# Altium PCB EngineControlTry1.PcbDoc
Units mm, origin at the board's own origin, x right, y up, seen from the top; angles counter-clockwise.
Board outline 93.1 x 76.8 mm, 2 copper layers (Top Layer, Bottom Layer); 80 components, 54 nets, 325 pads, 0 vias.
Unrouted connection lines stored in the file: 189.
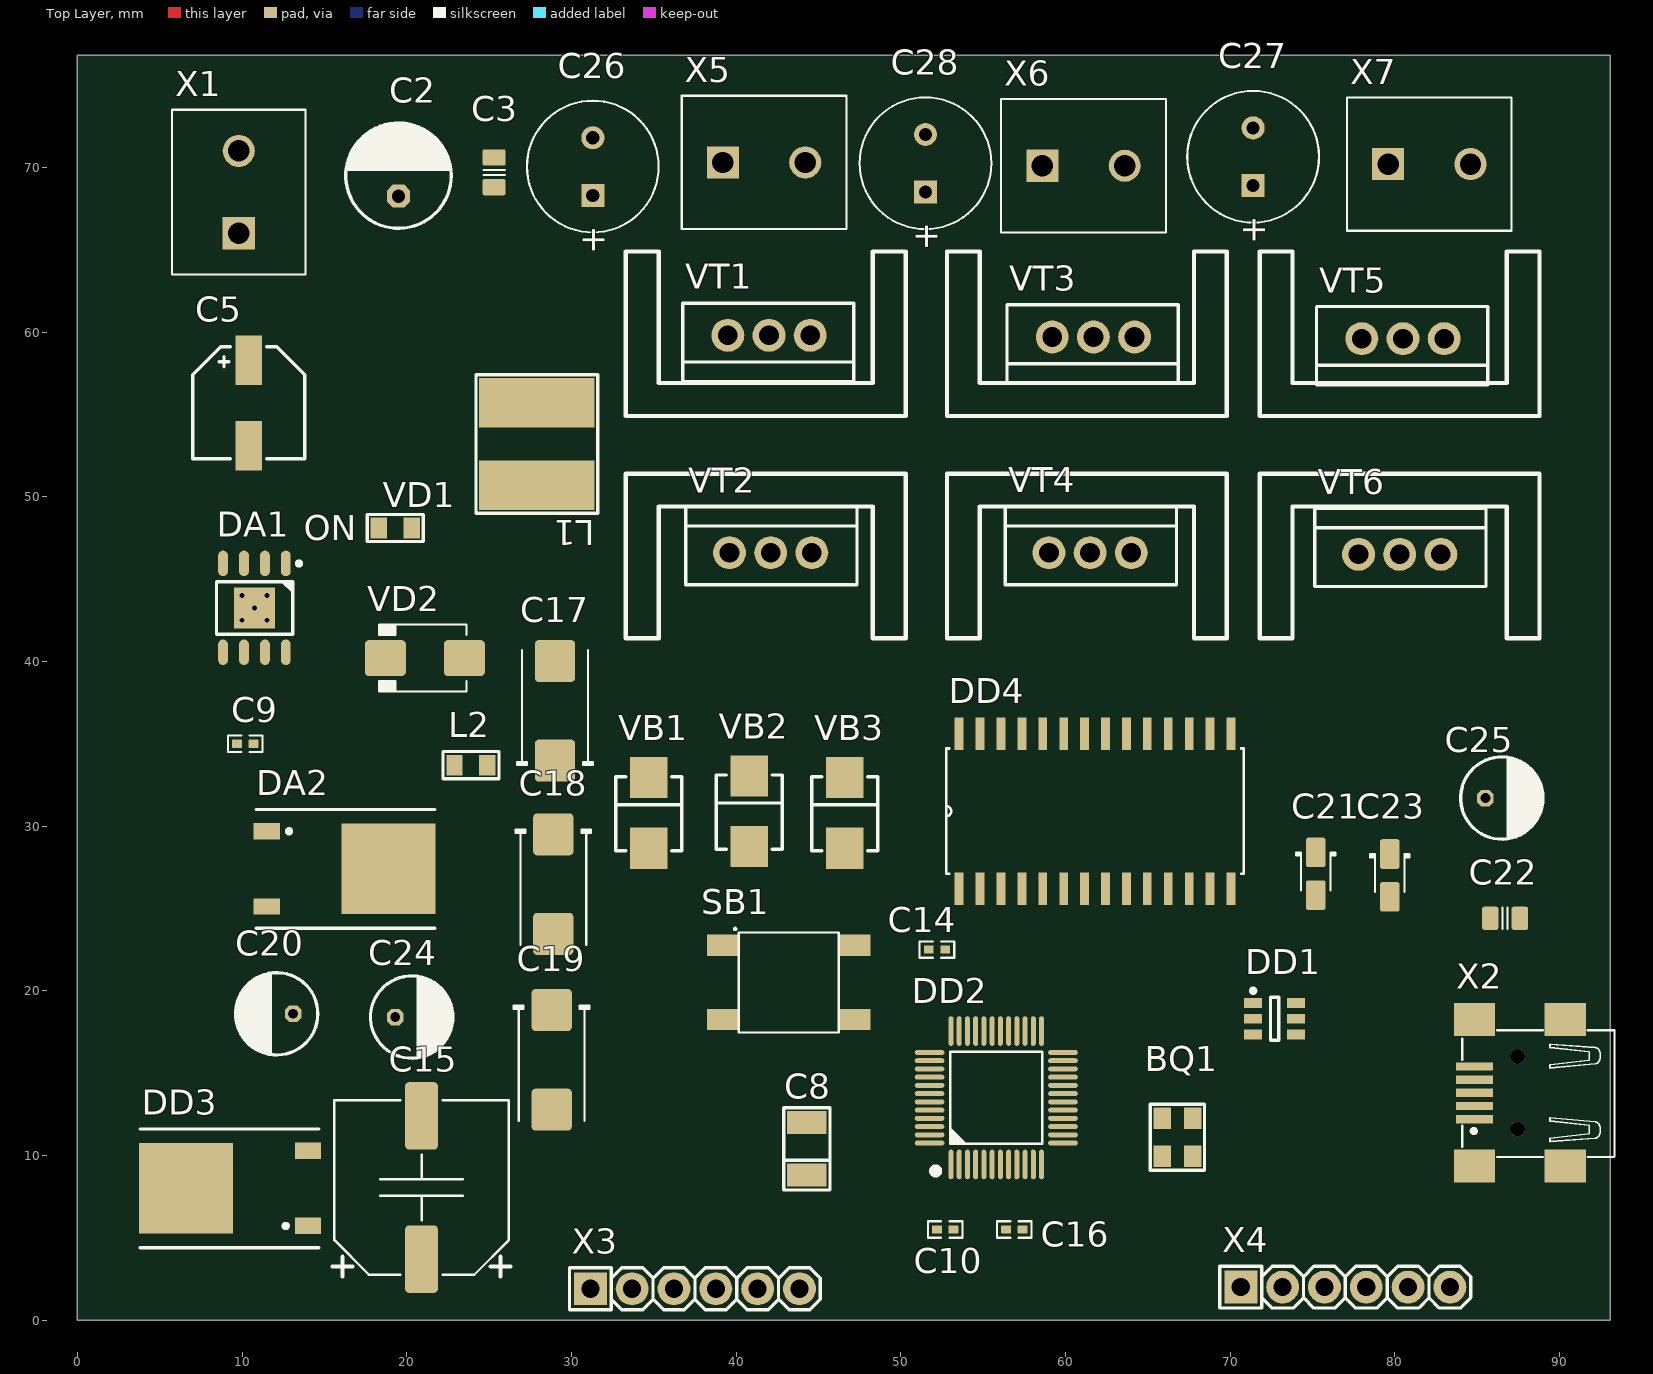
[diagram p0: Top Layer view]
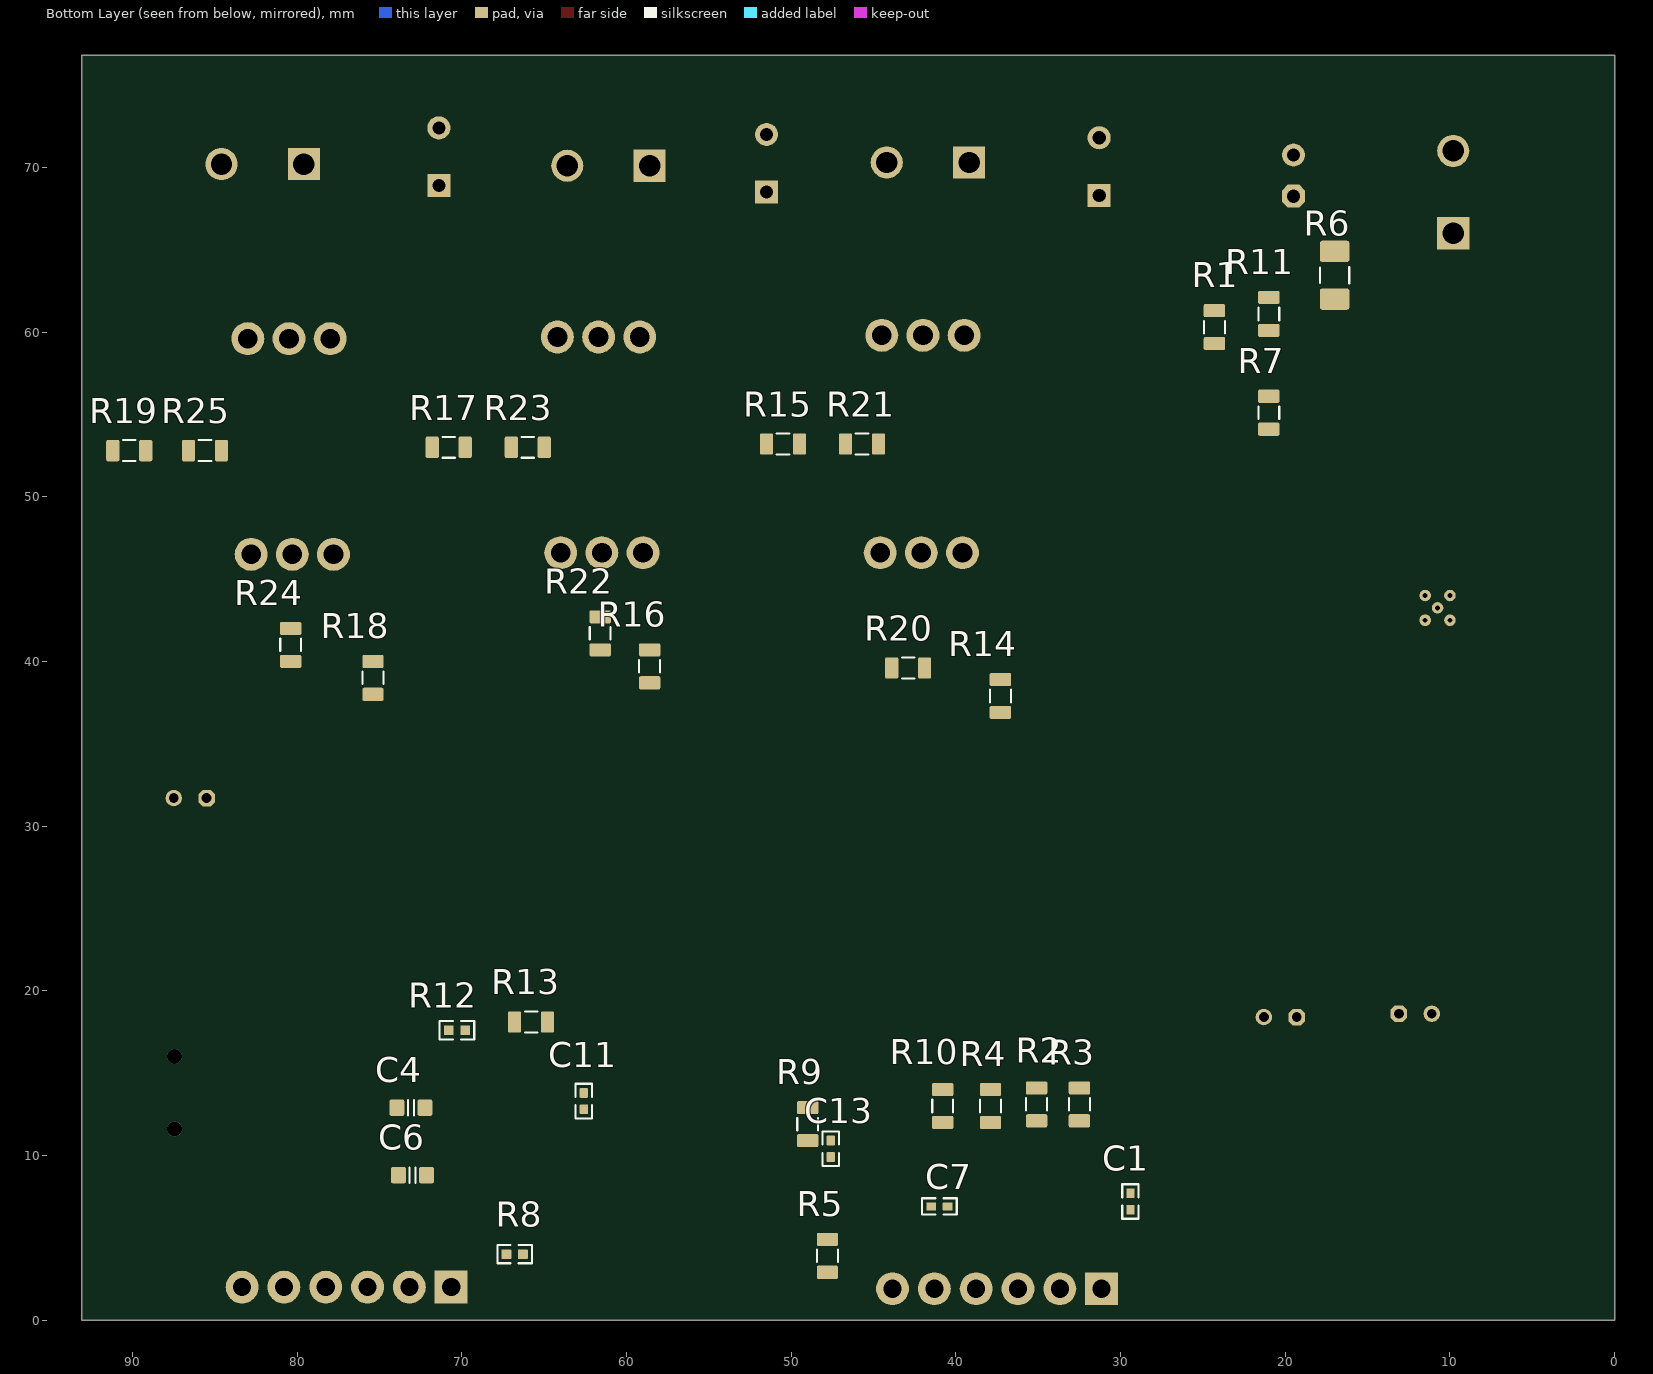
[diagram p1: Bottom Layer view, seen from below]

## Layer stack, top to bottom
Top Solder: solder mask 0.0102, Solder Resist, Dk 3.5
Top Layer: signal copper 0.0356
Dielectric 1: dielectric 0.32, FR-4, Dk 4.8
Bottom Layer: signal copper 0.0356
Bottom Solder: solder mask 0.0102, Solder Resist, Dk 3.5

## Board outline
0,0 93.1,0 93.1,76.8 0,76.8

## Design rules (kind name [scope] priority, off if disabled: settings)
Clearance [All] p1: gap=0.2 ignorepadtopadclearanceinfootprint=TRUE
PolygonConnect [All] p1: connectstyle=Relief reliefconductorwidth=0.254 reliefentries=4 polygonreliefangle="90 Angle" airgapwidth=0.254
RoutingVias [All] p1: holewidth=0.6 width=1 viastyle="Through Hole" minholewidth=0.4 minwidth=0.7 maxholewidth=0.711 maxwidth=1.27
SMDNeckDown [All] p1: percent=70.000
SolderMaskExpansion [All] p1: expansion=0.102 istentingtop=FALSE
Width [All] p1: maxlimit=1 minlimit=0.1 preferedwidth=0.3
30 further rules are at their usual default settings.

## Components (designator, comment, footprint, x,y, rotation, side; value= is the part's Value field where it differs from the comment)
BQ1 "8МГц" "OSC: 3225" 66.8,11.1 r270 top
C1 "100н" CAPC1005X55N 29.4,7.2 r270 bottom
C2 "100мк" "CAP: D6.3C2.5H11" 19.5,69.5 r90 top
C3 "0,1мк" CAPC2012X135N 25.3,69.7 r90 top
C4 "20" CAPC1608X90N 73.1,12.9 r180 bottom
C5 "100мк" "CAP: SMD D6.3A6.6H7.7" 10.4,55.7 r270 top
C6 "20" CAPC1608X90N 73,8.8 r180 bottom
C7 "0,1" CAPC1005X55N 41,6.9 r180 bottom
C8 "4,7мк" "CAP: TANTAL-B" 44.3,10.4 r90 top
C9 "470" CAPC1005X55N 10.2,35 r180 top
C10 "100н" CAPC1005X55N 52.7,5.5 r180 top
C11 "100н" CAPC1005X55N 62.6,13.3 r270 bottom
C13 "100н" CAPC1005X55N 47.6,10.4 r90 bottom
C14 "100н" CAPC1005X55N 52.2,22.5 r0 top
C15 "470мк" CAP_ELEC_SIZE_G 20.9,8.05 r0 top
C16 "100н" CAPC1005X55N 56.9,5.5 r180 top
C17 "15мк" CAPMP7343X310N 29,37 r90 top
C18 "15мк" CAPMP7343X310N 28.9,26.475 r270 top
C19 "15мк" CAPMP7343X310N 28.8,15.8 r270 top
C20 "10мк" "CAP: D5C2H11" 12.1,18.6 r180 top
C21 "0,1мк" CAPMP3216X180N 75.2,27.1 r270 top
C22 "1н" CAPC2012X135N 86.7,24.4 r180 top
C23 "1мк" CAPMP3216X180N 79.7,27 r270 top
C24 "10мк" "CAP: D5C2H11" 20.3,18.4 r0 top
C25 "1мк" "CAP: D5C2H11" 86.5,31.7 r0 top
C26 "220мк" "WCAP-ATUL 8x11.5x3.5x0.5" 31.3,70.05 r90 top
C27 "220мк" "WCAP-ATUL 8x11.5x3.5x0.5" 71.4,70.65 r90 top
C28 "220мк" "WCAP-ATUL 8x11.5x3.5x0.5" 51.5,70.25 r90 top
DA1 "MC33063AD" 8-SOIC-PAD 10.75,43.25 r270 top
DA2 "MC33269DT-3.3G" 369A-13#1 15.2,27.4 r270 top
DD1 "USBLC6-2SC6" SOT23-6 72.7,18.3 r0 top
DD2 "STM32F103C6T6A" LQFP-48_N 55.8,13.5 r90 top
DD3 "L78M05CDT-TR" 369A-13#2 10.3,8 r90 top
DD4 "IR2136SPBF" SOIC127PX1032X265-28N 61.8,30.9 r90 top
L1 "SDR0805-221KL" "IND: SDR0805" 27.9,53.2 r90 top
L2 "BLM21AG102SN1" "IND: 0805" 23.9,33.7 r0 top
R1 "10к" RES0805 24.3,60.3 r270 bottom
R2 "4,7k" RES0805 35.1,13.1 r90 bottom
R3 "4,7k" RES0805 32.5,13.1 r270 bottom
R4 "4,7k" RES0805 37.9,13 r270 bottom
R5 "4,7k" RES0805 47.8,3.9 r270 bottom
R6 "0,33" RES1206 17,63.45 r90 bottom
R7 "1,2k" RES0805 21,55.1 r90 bottom
R8 "300" RES0402 66.8,4 r0 bottom
R9 "10k" RES0805 49,11.9 r90 bottom
R10 "100" RES0805 40.8,13 r270 bottom
R11 "1,2k" RES0805 21,61.1 r90 bottom
R12 "2M" RES0402 70.3,17.6 r180 bottom
R13 "71,5k" RES0805 65.8,18.1 r0 bottom
R14 "140" RES0805 37.3,37.9 r90 bottom
R15 "140" RES0805 50.5,53.2 r0 bottom
R16 "140" RES0805 58.6,39.7 r90 bottom
R17 "140" RES0805 70.8,53 r0 bottom
R18 "140" RES0805 75.4,39 r90 bottom
R19 "140" RES0805 90.2,52.8 r0 bottom
R20 "10k" RES0805 42.9,39.6 r0 bottom
R21 "10k" RES0805 45.7,53.2 r0 bottom
R22 "10k" RES0805 61.6,41.7 r90 bottom
R23 "10k" RES0805 66,53 r0 bottom
R24 "10k" RES0805 80.4,41 r90 bottom
R25 "10k" RES0805 85.6,52.8 r0 bottom
SB1 "SWT-34" SWT-34 43.2,20.5 r0 top
VB1 "MBRS190T3G" "DIODE: SMB" 34.7,30.8 r90 top
VB2 "MBRS190T3G" "DIODE: SMB" 40.8,30.9 r90 top
VB3 "MBRS190T3G" "DIODE: SMB" 46.6,30.8 r90 top
VD1 "LED, Green, *, *, *, -55...+150°C" "LED: 0805G" 19.3,48.1 r0 top
VD2 "1N5819HW-7-F" DO-214AA 21.1,40.2 r180 top
VT1 "IRFZ14PBF" TO220 42,59.8 r180 top
VT2 "IRFZ14PBF" TO220 42.1,46.6 r0 top
VT3 "IRFZ14PBF" TO220 61.7,59.7 r180 top
VT4 "IRFZ14PBF" TO220 61.5,46.6 r0 top
VT5 "IRFZ14PBF" TO220 80.5,59.6 r180 top
VT6 "IRFZ14PBF" TO220 80.3,46.5 r0 top
X1 "301-021-12" 301-021-12_3D 9.8,68.5 r90 top
X2 "USB-Mini-B" USB-MINI 87.6,13.8 r90 top
X3 "PLS-1x6" "CON: PLS-6" 37.5,1.9 r0 top
X4 "PLS-1x6" "CON: PLS-6" 77,2 r0 top
X5 "301-021-12" 301-021-12_3D 41.7,70.3 r0 top
X6 "301-021-12" 301-021-12_3D 61.1,70.1 r0 top
X7 "301-021-12" 301-021-12_3D 82.1,70.2 r0 top

## Footprints (in the part's own frame and the unit in brackets; to place one, negate y for a bottom-side part, rotate by r counter-clockwise, add the part's x,y. Pads: shape width x height; smd on the part's side, far side on the other; paste and mask are expansions set on the pad)
8-SOIC-PAD [mm] "pitch 1.27 mm, power pad"
  round 0.7 hole 0.3: 0(-0.75,0.75) 0(-0.75,-0.75) 0(0,0) 0(0.75,0.75) 0(0.75,-0.75)
  rrect100% 1.55x0.6 smd: 1(-2.7,1.905) 2(-2.7,0.635) 3(-2.7,-0.635) 4(-2.7,-1.905) 5(2.7,-1.905) 6(2.7,-0.635) 7(2.7,0.635) 8(2.7,1.905)
  round 0.7 on Mech1: 28(-2.395,1.8)
  rect 2.5x2.5 smd: " 0"(0,0)
  silkscreen extent -2.82,-2.3 1.61,2.83, body extent -3,-2.45 3,2.45, height 1.75
301-021-12_3D [mm] "Serie 2417 - 5.00 mm _ 2 pins"
  rect 1.95x1.95 hole 1.3: 1(-2.5,0)
  round 1.95 hole 1.3: 2(2.5,0)
  silkscreen extent -5,-4.05 5,4.05, body extent -5,-4.1 5,4, height 10.1
369A-13#1 [mm] "D-PAK/TO-252-AA; 3 Leads (1 Cropped); Body 10.3 (inc. leads) x 6.7 mm (LxW max)"
  rect 1x1.6 smd: 1(-2.285,-3.7) 3(2.285,-3.7)
  rect 5.5x5.7 smd: 4(0,3.7)
  silkscreen extent -3.6,-4.35 3.6,6.5, body extent -3.37,-4 3.37,6.1, height 2.38
369A-13#2 [mm] "D-PAK/TO-252-AA; 3 Leads (1 Cropped); Body 10.3 (inc. leads) x 6.7 mm (LxW max)"
  rect 1x1.6 smd: 1(-2.285,-3.7) 3(2.285,-3.7)
  rect 5.5x5.7 smd: 2(0,3.7)
  silkscreen extent -3.6,-4.35 3.6,6.5, body extent -3.37,-4 3.37,6.1, height 2.38
"CAP: D5C2H11" [mm]
  oct 1x1 hole 0.6: 1(-1,0)
  round 1 hole 0.6: 2(1,0)
  silkscreen extent -2.5,-2.5 2.5,2.5, body extent -2.75,-2.75 2.75,2.75, height 13.5
"CAP: D6.3C2.5H11" [mm]
  oct 1.4x1.4 hole 0.8: 1(-1.25,0)
  round 1.4 hole 0.8: 2(1.25,0)
  silkscreen extent -3.2,-3.2 3.2,3.2, body extent -3.4,-3.4 3.4,3.4, height 12.5
"CAP: SMD D6.3A6.6H7.7" [mm]
  rect 3x1.6 smd mask+0.075: 1(-2.6,0) 2(2.6,0)
  silkscreen extent -3.4,-3.4 3.4,3.4, body extent -3.65,-3.3 3.65,3.3, height 5.9
"CAP: TANTAL-B" [mm]
  rect 1.4x2.4 smd: 1(-1.6,0) 2(1.6,0)
  silkscreen extent -2.5,-1.4 2.5,1.4, body extent -1.85,-1.46 1.85,1.47, height 2.03
CAP_ELEC_SIZE_G [mm] "Capacitor, polarized, aluminum can; 10.0x10.2mm DxH"
  round 0.635 on Mech15: 0(0,0)
  rrect25% 2x4.1 smd: 1(0,-4.35) 2(0,4.35)
  silkscreen extent -5.4,-5.4 5.4,5.3, body extent -5.25,-6 5.25,6, height 10.5
CAPC1005X55N [mm] "Chip Capacitor, Body 1.0x0.5mm, EIA 0402, IPC Medium Density"
  round 0.2 on Mech15: 0(0,0)
  rrect20% 0.6x0.5 smd: 1(-0.5,0) 2(0.5,0)
  Top Layer pour cut-out: -0.325,0.375 -0.2,0.5 0.2,0.5 0.325,0.375 0.325,-0.375 0.2,-0.5 -0.2,-0.5 -0.325,-0.375
  silkscreen extent -1.05,-0.5 1.05,0.5, body extent -0.52,-0.27 0.53,0.28, height 0.55
CAPC1608X90N [mm] "Chip Capacitor, Body 1.6x0.8mm, EIA 0603, IPC Medium Density"
  round 0.254 on Mech15: 0(0,0)
  rrect25% 0.9x1 smd: 1(-0.85,0) 2(0.85,0)
  Top Layer pour cut-out: -0.6,0.5 -0.4,0.7 0.4,0.7 0.6,0.5 0.6,-0.5 0.4,-0.7 -0.4,-0.7 -0.6,-0.5
  silkscreen extent -0.18,-0.48 0.18,0.48, body extent -0.85,-0.45 0.85,0.45, height 0.89
CAPC2012X135N [mm] "Chip Capacitor, Body 2.0x1.2mm, EIA 0805, IPC Medium Density"
  round 0.254 on Mech15: 0(0,0)
  rrect25% 1x1.4 smd: 1(-0.9,0) 2(0.9,0)
  Top Layer pour cut-out: -0.675,0.7 -0.475,0.9 0.475,0.9 0.675,0.7 0.675,-0.7 0.475,-0.9 -0.475,-0.9 -0.675,-0.7
  silkscreen extent -0.15,-0.65 0.15,0.65, body extent -1.1,-0.72 1.1,0.73, height 1.34
CAPMP3216X180N [mm] "Capacitor, polarized, Molded Body, EIA 535BAAC size A; 3.20mm L X 1.60mm W X 1.80mm H"
  round 0.508 on Mech15: 0(0,0)
  rrect25% 1.8x1.2 smd: 1(-1.3,0) 2(1.3,0)
  silkscreen extent -1.3,-1.2 1,1.2, body extent -1.6,-0.8 1.6,0.8, height 1.8
CAPMP7343X310N [mm] "Molded body capacitor, Body 7.3x4.3mm, 2917, IPC Nominal settings"
  round 1 on Mech15: 0(0,0)
  rrect20% 2.55x2.45 smd: 1(-3.025,0) 2(3.025,0)
  silkscreen extent -3.3,-2.3 3.7,2.3, body extent -3.8,-1.97 3.8,1.98, height 3.1
"CON: PLS-6" [mm]
  rect 2x2 hole 1.1: 1(-6.35,0)
  round 2 hole 1.1: 2(-3.81,0) 3(-1.27,0) 4(1.27,0) 5(3.81,0) 6(6.35,0)
  silkscreen extent -7.62,-1.27 7.62,1.27, body extent -7.62,-1.27 7.62,1.27, height 8.54
"DIODE: SMB" [mm]
  rect 2.5x2.3 smd: 1(-2.15,0) 2(2.15,0)
  silkscreen extent -2.3,-2 2.2,2, body extent -2.75,-1.95 2.75,1.95, height 2.45
DO-214AA [mm] "JEDEC DO214 variation AA. SMB"
  round 0.508 on Mech15: 0(0,0)
  rrect25% 2.5x2.2 smd: 1(-2.4,0) 2(2.4,0)
  silkscreen extent -2.54,-2.03 2.79,2.03, body extent -2.8,-1.97 2.8,1.98, height 2.62
"IND: 0805" [mm]
  rect 1x1.25 smd: 1(-1,0) 2(1,0)
  silkscreen extent -1.7,-0.83 1.7,0.82, body extent -1,-0.62 1,0.63, height 0.85
"IND: SDR0805" [mm]
  rect 3x7 smd: 1(-2.5,0) 2(2.5,0)
  silkscreen extent -4.2,-3.7 4.2,3.7, body extent -3.68,-3.75 3.68,3.75, height 5.08
"LED: 0805G" [mm]
  rect 1x1.25 smd: 1(-1,0) 2(1,0)
  silkscreen extent -1.7,-0.82 1.7,0.83, body extent -1.05,-0.67 1.05,0.68, height 0.9
LQFP-48_N [mm] "Thin QFP, 48-Leads, Body 7x7mm, Pitch 0.5mm, IPC Medium Density"
  round 1 on Mech15: 0(0,0)
  oval 1.8x0.3 smd: 1(-4.05,2.75) 2(-4.05,2.25) 3(-4.05,1.75) 4(-4.05,1.25) 5(-4.05,0.75) 6(-4.05,0.25) 7(-4.05,-0.25) 8(-4.05,-0.75) 9(-4.05,-1.25) 10(-4.05,-1.75) 11(-4.05,-2.25) 12(-4.05,-2.75) 25(4.05,-2.75) 26(4.05,-2.25) 27(4.05,-1.75) 28(4.05,-1.25) 29(4.05,-0.75) 30(4.05,-0.25) 31(4.05,0.25) 32(4.05,0.75) 33(4.05,1.25) 34(4.05,1.75) 35(4.05,2.25) 36(4.05,2.75)
  oval 0.3x1.8 smd: 13(-2.75,-4.05) 14(-2.25,-4.05) 15(-1.75,-4.05) 16(-1.25,-4.05) 17(-0.75,-4.05) 18(-0.25,-4.05) 19(0.25,-4.05) 20(0.75,-4.05) 21(1.25,-4.05) 22(1.75,-4.05) 23(2.25,-4.05) 24(2.75,-4.05) 37(2.75,4.05) 38(2.25,4.05) 39(1.75,4.05) 40(1.25,4.05) 41(0.75,4.05) 42(0.25,4.05) 43(-0.25,4.05) 44(-0.75,4.05) 45(-1.25,4.05) 46(-1.75,4.05) 47(-2.25,4.05) 48(-2.75,4.05)
  silkscreen extent -4.64,-2.79 2.79,3.88, body extent -4.5,-4.5 4.5,4.5, height 1.59
"OSC: 3225" [mm]
  rect 1.3x1.05 smd: 1(-1.15,-0.925) 2(1.15,-0.925) 3(1.15,0.925) 4(-1.15,0.925)
  round 0.5 on Top Overlay: ""(-2.5,-1.5)
  silkscreen extent -2,-1.65 2,1.65, body extent -1.6,-1.25 1.6,1.25, height 0.81
RES0402 [mm] "Chip Resistor, Body 1.0x0.5mm, EIA 0402, IPC Medium Density"
  round 0.2 on Mech15: 0(0,0)
  rrect20% 0.6x0.6 smd: 1(-0.5,0) 2(0.5,0)
  Top Layer pour cut-out: -0.325,0.375 -0.2,0.5 0.2,0.5 0.325,0.375 0.325,-0.375 0.2,-0.5 -0.2,-0.5 -0.325,-0.375
  silkscreen extent -1.05,-0.55 1.05,0.55, body extent -0.52,-0.27 0.53,0.28, height 0.4
RES0805 [mm] "Chip Resistor, Body 2.0x1.2mm, EIA 0805, IPC Medium Density"
  round 0.254 on Mech15: 0(0,0)
  rrect25% 0.8x1.3 smd: 1(-1,0) 2(1,0)
  Top Layer pour cut-out: -0.725,0.65 -0.525,0.85 0.525,0.85 0.725,0.65 0.725,-0.65 0.525,-0.85 -0.525,-0.85 -0.725,-0.65
  silkscreen extent -0.38,-0.64 0.38,0.63, body extent -1.1,-0.67 1.1,0.68, height 0.69
RES1206 [mm] "Chip Resistor, Body 3.2x1.6mm, EIA 1206, IPC Medium Density"
  round 0.508 on Mech15: 0(0,0)
  rrect25% 1.3x1.8 smd: 1(-1.45,0) 2(1.45,0)
  silkscreen extent -0.51,-0.89 0.51,0.89, body extent -1.62,-0.82 1.63,0.83, height 0.69
SOIC127PX1032X265-28N [mil]
  rect 78x21 smd: 1(-185,325) 2(-185,275) 3(-185,225) 4(-185,175) 5(-185,125) 6(-185,75) 7(-185,25) 8(-185,-25) 9(-185,-75) 10(-185,-125) 11(-185,-175) 12(-185,-225) 13(-185,-275) 14(-185,-325) 15(185,-325) 16(185,-275) 17(185,-225) 18(185,-175) 19(185,-125) 20(185,-75) 21(185,-25) 22(185,25) 23(185,75) 24(185,125) 25(185,175) 26(185,225) 27(185,275) 28(185,325)
  silkscreen extent -150,-356 150,356, body extent -203,-353 203,352, height 107
SOT23-6 [mm] "pitch 0.95 mm"
  rect 1.1x0.6 smd: 1(-1.3,0.95) 2(-1.3,0) 3(-1.3,-0.95) 4(1.3,-0.95) 5(1.3,0) 6(1.3,0.95)
  round 0.5 on Mech1: ""(-1,1.1)
  silkscreen extent -1.42,-1.3 0.25,1.82, body extent -1.4,-1.45 1.4,1.45, height 1.45
SWT-34 [mm] "6*6mm vertical type, SMD, height 4.3mm, black actuator, 160gf, T&R"
  rect 2x1.3 smd: 1(-3.975,2.25) 2(3.975,2.25) 3(-3.975,-2.25) 4(3.975,-2.25)
  silkscreen extent -3.29,-3.04 3.04,3.29, body extent -4.5,-3.1 4.5,3.1, height 4.29
TO220 [mm]
  round 2 hole 1.2: 1(-2.5,0) 2(0,0) 3(2.5,0)
  silkscreen extent -5.15,-1.95 5.25,2.8, body extent -5,-1.8 5.2,2.7, height 20.06
USB-MINI [mm] "5 pins"
  rect 0.5x2.25 smd: 1(-1.6,2.75) 2(-0.8,2.75) 3(0,2.75) 4(0.8,2.75) 5(1.6,2.75)
  rect 2x2.5 smd: 6(-4.45,-2.75) 6(-4.45,2.75) 6(4.45,-2.75) 6(4.45,2.75)
  round 0.9 hole 0.9 unplated: ""(-2.2,0.15) ""(2.2,0.15)
  silkscreen extent -3.9,-5.75 3.8,3.5, body extent -4.8,-5.75 4.8,3.5, height 3.97
"WCAP-ATUL 8x11.5x3.5x0.5" [mm] "Polarized capacitors, Aluminum Electrolytic Capacitors, 2-Leads, Body 8x11.5x3.5x0.5"
  rect 1.4x1.4 hole 0.8: 1(-1.75,0)
  round 1.4 hole 0.8: 2(1.75,0)
  silkscreen extent -4,-4 4,4, body extent -3.97,-3.98 3.99,4, height 11.76

## Part data
BQ1: library part SMD0503, "Кварцевый резонатор Кварцевые резонаторы 8МГц в SMD корпусах 3.2x2.5мм на расширенный интервал температур 8000 \SMD03225C4\12\ 30\ 50/-40~115C\DSX321G\1Г", ValueDescription="Кварцевый резонатор", ValueManufacturer=Китай, HelpURL=https://www.chipdip.ru/product0/8004084827, ValueManufacturerPartNumber=SMD0503, ValueType=SMD0503, ValueValue=8МГц
C1 C10 C11 C13 C14 C16: library part Сapacitor, "Кер.чип.конд. 0402 X5R 100нФ 16В 10%, GRM155R61C104KA88D", ValueDescription=Конденсатор, ValueManufacturerPartNumber="\"\" -", ValueType_TU=Конденсаторы, HelpURL=https://www.chipdip.ru/product/grm155r61c104ka88d
C2: library part Сapacitor_Pol_1, "100мкф 35в 105° RD (6.3X11) конденсатор SAMWHA RD1V107M6L011BB", ValueDescription="Конденсатор танталовый SMD", ValueManufacturer=TECAP, ValueManufacturerPartNumber="D \"D\" 27В-100мк 20%", ValuePackage=D, ValueTolerance=20%, ValueType_TU="Конденсаторы D", ValueVoltage=27В, ComponentLink1Description="New link", HelpURL=https://www.chipdip.ru/product0/9000617586, ValueType=D, ValueValue=100мк
C3: library part Сapacitor, "Кер.ЧИП конд. 0.1 мкФ Y5V 50В+80-20% 0805, GRM219F51H104Z", ValueDescription=Конденсатор, ValueManufacturerPartNumber="\"\" -", ValueType_TU=Конденсаторы, HelpURL=https://www.chipdip.ru/product/grm219f51h104z
C4 C6: library part Сapacitor, "Кер.ЧИП конд. 20пФ NPO 50В 5% 0603, GRM1885C1H200J", ValueDescription=Конденсатор, ValueManufacturerPartNumber="\"\" -", ValueType_TU=Конденсаторы, HelpURL=https://www.chipdip.ru/product/grm1885c1h200j
C5: library part Сapacitor_Pol, "107SML035M, CAP, 100UF, 35V, ALU ELEC, SMD", ValueDescription="Конденсатор полярный", ValueManufacturerPartNumber="\"\" -", ValueType_TU=Конденсаторы, HelpURL=https://www.chipdip.ru/product/107sml035m
C7: library part Сapacitor, "04025A1R0BAT2A, Cap Ceramic 1pF 50V C0G 0.1pF Pad SMD 0402 125C T/R", ValueDescription=Конденсатор, ValueManufacturerPartNumber="\"\" -", ValueType_TU=Конденсаторы, HelpURL=https://www.chipdip.ru/product0/8003206973
C8: library part Сapacitor_Pol, "Конденсатор танталовый SMD 4,7uF 16V 20% case B", ValueDescription="Конденсатор полярный", ValueManufacturerPartNumber="\"\" -", ValueType_TU=Конденсаторы, HelpURL=https://www.chipdip.ru/product0/8003918018
C9: library part Сapacitor, "470пф X7R 50в 10% (0402) Чип керам,конденсатор MA0402XR471K500PRG", ValueDescription=Конденсатор, ValueManufacturerPartNumber="\"\" -", ValueType_TU=Конденсаторы, HelpURL=https://www.chipdip.ru/product0/8001662121
C15: library part Сapacitor_Pol, "EEEFC1E471P, SMD эл-лит 25V 470uF /10*10.2/105°C", ValueDescription="Конденсатор полярный", ValueManufacturerPartNumber="\"\" -", ValueType_TU=Конденсаторы, HelpURL=https://www.chipdip.ru/product0/8002405648
C17 C18 C19: library part TAJC156K016RNJ, "15мкф 16в SMD разм.C 10% тантал. конденсатор TAJC156K016RNJ", HelpURL=https://www.chipdip.ru/product0/8001593097
C20 C24: library part Сapacitor_Pol, "ECAP (К50-35), 10 мкФ, 16 В, 105°C, TK 5X11, TKR100M1CD11, Конденсатор электролитический алюминиевый", ValueDescription="Конденсатор полярный", ValueManufacturerPartNumber="\"\" -", ValueType_TU=Конденсаторы, HelpURL=https://www.chipdip.ru/product0/9000247150
C21: library part Сapacitor_Pol_1, "TECAP, 0.1 мкФ, 35 В, тип A, 10%, Конденсатор танталовый SMD", ValueDescription="Конденсатор танталовый SMD", ValueManufacturer=TECAP, ValueManufacturerPartNumber="D \"D\" 27В-0,1мк 20%", ValuePackage=D, ValueTolerance=20%, ValueType_TU="Конденсаторы D", ValueVoltage=27В, HelpURL=https://www.chipdip.ru/product0/1654, ValueType=D, ValueValue=0,1мк
C22: library part Сapacitor, "Кер.ЧИП конд. 1000пФ X7R 50В,10%, 0805", ValueDescription=Конденсатор, ValueManufacturerPartNumber="\"\" -", ValueType_TU=Конденсаторы, HelpURL=https://www.chipdip.ru/product0/40582
C23: library part Сapacitor_Pol_1, "Сapacitor_Pol", ValueDescription="Конденсатор танталовый SMD", ValueManufacturer=TECAP, ValueManufacturerPartNumber="D \"D\" 27В-1мк 20%", ValuePackage=D, ValueTolerance=20%, ValueType_TU="Конденсаторы D", ValueVoltage=27В, HelpURL=https://www.chipdip.ru/product0/19661, ValueType=D, ValueValue=1мк
C25: library part Сapacitor_Pol, "ECAP (К50-35), 1мкФ, 50В, 105°C, 20%, 5x11мм P:2мм, Конденсатор электролитический алюминиевый JRB1H010M02000500110000B", ValueDescription="Конденсатор полярный", ValueManufacturerPartNumber="\"\" -", ValueType_TU=Конденсаторы, HelpURL=https://www.chipdip.ru/product0/9000565817
C26 C27 C28: library part Сapacitor_Pol_1, "860010574011, Электролитический конденсатор, 220 мкФ, 35 В, Серия WCAP-ATG8, ± 20%, Радиальные Выводы, 8 мм", ValueDescription="Конденсатор танталовый SMD", ValueManufacturer=TECAP, ValueManufacturerPartNumber="D \"D\" 27В-220мк 20%", ValuePackage=D, ValueTolerance=20%, ValueType_TU="Конденсаторы D", ValueVoltage=27В, HelpURL=https://www.chipdip.ru/product/860010574011, ValueType=D, ValueValue=220мк
DA1: "Повышающий/ понижающий преобразователь напряжения [SO8] 1,5А", ValueAnalog1=1356ЕФ1У, ValueAnalog2=MC34063ADG, ValueManufacturer="ON Semiconductor", ValuePackage=SO-8, ValueDescription="Повышающий/ понижающий преобразователь напряжения [SO8] 1,5А", ValueManufacturerPartNumber=MC33063AD, ValueType=MC33063AD
DA2: "Регулятор с малым падением напряжения, 800мА, 3.3В MC33269DT-3.3G, LDO линейный регулятор напряжения, +3.3В, 800мА, [D-PAK]", ValueDescription="DC-DC регулятор", ValueManufacturer="ON Semiconductor", ValuePackage=369A-13, HelpURL=https://www.chipdip.ru/product/mc33269dt-3.3g, ValueManufacturerPartNumber=MC33269DT-3.3G, ValueType=MC33269DT-3.3G
DD1: "Защита интерфейса USB от электростатических разрядов USBLC6-2SC6, Защита интерфейса USB от электростатических разрядов [SOT-23-6]", HelpURL=https://www.chipdip.ru/product/usblc6-2sc6
DD2: library part STM32F103CBT6, "ARM Cortex-M3 32-bit MCU, 128 KB Flash, 20 KB Internal RAM, 37 I/Os, 48-pin LQFP, -40 to 85 degC, Tray", I/Os (High Current)=37, Operating Frequency(F) (Processor speed) (MHz)=72, Supplier Part Number 1=1606327, Supply Voltage(Vcc) min (V)=2, A/D Converter="2x12-bit (10 Channel)", ComponentLink1Description="Manufacturer URL", ComponentLink1URL=http://www.st.com/web/en/home.html, ComponentLink2Description=Datasheet, ComponentLink2URL=http://www.st.com/st-web-ui/static/active/en/resource/technical/document/datasheet/CD00161566.pdf, ComponentLink3Description="Package Specification", ComponentLink3URL=http://www.st.com/st-web-ui/static/active/en/resource/technical/document/datasheet/DM00058181.pdf, Core="ARM Cortex-M3", DatasheetVersion="Rev. 16", FLASH Size (Prog) (kB)=128, HelpURL=https://www.chipdip.ru/product/stm32f103c6t6a, Internal RAM Size (kB)=20, Mounting Technology="Surface Mount", PackageDescription="48-Pin Low Profile Quad Flat Package, 7 x 7 mm Body, 0.5 mm Pitch", PackageReference=LQFP48, PackageVersion="Rev. 6, 06/2013", Packing=Tray, PartNumber=STM32F103CBT6, Supplier 1=Farnell, Supplier 2=Newark, Supplier 3=Newark, Supplier Part Number 2=11N8296, Supplier Part Number 3=57P1214
DD3: "L78M05CDT-TR, Прецизионный регулятор напряжения, 500мА, 5В, [TO-252]", HelpURL=https://www.chipdip.ru/product/l78m05cdt
DD4: "Floating channel designed for bootstrap operation", Package="SOIC-28 Infineon", Digi-Key_Part_Number=IR2136SPBF-ND, Digi-Key_Purchase_URL=https://www.digikey.com/product-detail/en/infineon-technologies/IR2136SPBF/IR2136SPBF-ND/856515?utm_source=snapeda&utm_medium=aggregator&utm_campaign=symbol, HelpURL=https://www.chipdip.ru/product/ir2136spbf, MF=Infineon, MP=IR2136SPBF, SnapEDA_Link=https://www.snapeda.com/parts/IR2136SPBF/Infineon%20Technologies/view-part/559407/?ref=snap
L1: library part B82477G4154M, "SDR0805-221KL, 220 мкГн, Индуктивность SMD", ValueCurrent="1,42 А", ValueDescription="Катушка индуктивности SMD", ValueManufacturer=Epcos, ValuePackage=12.8х12.8, ValueValue=150мкГн, HelpURL=https://www.chipdip.ru/product/sdr0805-221kl, ValueManufacturerPartNumber=B82477G4154M, ValueType=B82477G4154M
L2: "Дроссель подавления ЭМП BLM21AG102SN1, 0805, Дроссель подавления ЭМП", ValueCurrent="0,2 А", ValueDescription="Дроссель подавления ЭМП", ValueManufacturer="Murata Manufacturing", ValuePackage=0805, ValueValue=20мГн, HelpURL=https://www.chipdip.ru/product/blm21ag102sn1, ValueManufacturerPartNumber=BLM21AG102SN1, ValueType=BLM21AG102SN1
R1: library part Resistor, "Резистор RC0805JR-0710KL 0.125Вт 0805 10 кОм, 5%, Чип резистор (SMD)", ValueDescription=Резистор, ValueManufacturerPartNumber="\"\" -", ValueType_TU=Резисторы, HelpURL=https://www.chipdip.ru/product0/528580584
R2 R3 R4 R5: library part Resistor, "0.125Вт 0805 4.7 кОм, 1%, Чип резистор (SMD) RC0805FR-074K7L", ValueDescription=Резистор, ValueManufacturerPartNumber="\"\" -", ValueType_TU=Резисторы, HelpURL=https://www.chipdip.ru/product0/9000079502
R6: library part Resistor, "0,33ом 5% RS-06 1/4W (1206) Чип резистор RS-06KR33JT", ValueDescription=Резистор, ValueManufacturerPartNumber="\"\" -", ValueType_TU=Резисторы, HelpURL=https://www.chipdip.ru/product0/8001592128
R7 R11: library part Resistor, "Резистор постоянный SMD 0805 1,2K 5% / 0805S8J0122T5E", ValueDescription=Резистор, ValueManufacturerPartNumber="\"\" -300", ValueType_TU=Резисторы, ValueValue=300, HelpURL=https://www.chipdip.ru/product0/8004210618
  R11: ComponentLink1Description="New link"
R8: library part Resistor, "0.062Вт 0402 300 Ом, 1%, Чип резистор (SMD) RC0402FR-07300RL", ValueDescription=Резистор, ValueManufacturerPartNumber="\"\" -300", ValueType_TU=Резисторы, HelpURL=https://www.chipdip.ru/product0/9000189775, ValueValue=300
R9: library part Resistor, "0.125Вт 0805 10 кОм, 5%, Чип резистор (SMD)", ValueDescription=Резистор, ValueManufacturerPartNumber="\"\" -10k", ValueType_TU=Резисторы, HelpURL=https://www.chipdip.ru/product0/528580584, ValueValue=10k
R10: library part Resistor, "RC0402JR-07100RL", ValueDescription=Резистор, ValueManufacturerPartNumber="\"\" -", ValueType_TU=Резисторы, HelpURL=https://www.chipdip.ru/product0/9000189639
R12: library part Resistor, "0.062Вт 0402 2 МОм, 1%, Чип резистор (SMD)", ValueDescription=Резистор, ValueManufacturerPartNumber="\"\" -", ValueType_TU=Резисторы, HelpURL=https://www.chipdip.ru/product0/9000189945
R13: library part Resistor, "71,5 кОм 0805 1% CR05FL7-71K5 чип-резистор Viking tech", ValueDescription=Резистор, ValueManufacturerPartNumber="\"\" -", ValueType_TU=Резисторы, HelpURL=https://www.chipdip.ru/product0/8002867086
R14 R15 R16 R17 R18 R19: library part Resistor, "RC0805FR-07140RL, чип 0805 140 1%", ValueDescription=Резистор, ValueManufacturerPartNumber="\"\" -140", ValueType_TU=Резисторы, HelpURL=https://www.chipdip.ru/product0/8406612868, ValueValue=140
R20 R21 R22 R23 R24 R25: library part Resistor, "RC0805FR-0710KL", ValueDescription=Резистор, ValueManufacturerPartNumber="\"\" -", ValueType_TU=Резисторы, HelpURL=https://www.chipdip.ru/product0/9000079514
SB1: "Тактовый переключатель SMD h=7мм (SDTM-630-N) (TS-06M-CSM)", ValueDescription="Кнопка тактовая", ValueManufacturer=Тайвань, HelpURL=https://www.chipdip.ru/product/swt-34, ValueManufacturerPartNumber=SWT-34, ValuePackage=SWT-34, ValueType=SWT-34
VB1 VB2 VB3: "Диод Шоттки 90В 1А MBRS190T3G, Диод Шоттки 90В 1А [SMB / DO-214AA]", HelpURL=https://www.chipdip.ru/product/mbrs190t3g-ons
VD1: library part LED_single, "SML-LXT0805GW-TR, Светодиод, QuasarBrite, Зеленый, SMD (Поверхностный Монтаж), 0805, 20 мА, 2.2 В, 565 нм", Color=GREEN, ColorParameter=Green, Temperature=-55...+150°C, HelpURL=https://www.chipdip.ru/product/sml-lxt0805gw-tr-led-green-11mcd-565nm, TypeDiode=LED, ValueManufacturerPartNumber="LED, Green, *, *, *, -55...+150°C"
VD2: library part SS24, "Диод Шоттки 1N5819HW-7-F", ValueCurrent=2А, ValueDescription="Диод Шоттки 2А 40В", ValueManufacturer="Fairchild Semiconductor", ValueMaxReverseVoltage=40В, ValuePackage=DO-214AA, HelpURL=https://www.chipdip.ru/product0/8004285286, ValueManufacturerPartNumber=SS24, ValueType=SS24
VT1 VT2 VT3 VT4 VT5 VT6: "IRFZ14PBF, Транзистор, N-канал 60В 10А [TO-220AB]", HelpURL=https://www.chipdip.ru/product/irfz14
X1 X5 X6 X7: "Клеммник винтовой, 2-контактный, 5мм, прямой KLS2-305V-5.00-02P-2S (DG305-5.0-02P-12), Клеммник винтовой, 2-контактный, 5мм, прямой", ValueDescription="Клеммник винтовой, 2-контактный, 5мм, прямой", ValueManufacturer="Ningbo Xinya M&E", HelpURL=https://www.chipdip.ru/product/kls2-305v-5.00-02p-2s-dg305-5.0-02p-12, ValueManufacturerPartNumber=301-021-12, ValueType=301-021-12
  X1: A1TXT=+27В, A2TXT=GND
  X5 X6 X7: A1TXT=PWM_A, A2TXT=GND_A
X2: library part USB-Mini-A, "Розетка 5-контактная SMD на плату 1734035-2, Разъем USB, Mini USB Типа B, USB 2.0, Гнездо, 5 вывод(-ов), Поверхностный Монтаж, Прямой Угол", ValueDescription="Розетка 5-контактная SMD на плату", ValueManufacturer="Ningbo Xinya M&E", A1TXT=VCC, A2TXT=DM, A3TXT=DP, A4TXT=ID, A5TXT=GND, HelpURL=https://www.chipdip.ru/product0/9000362778, ValueManufacturerPartNumber=USB-Mini-B, ValueType=USB-Mini-B
X3 X4: "PLS-6 (DS1021-1x6), Вилка штыревая 2.54мм 1x6 прямая тип1", ValueDescription="Вилка штыревая 2.54мм 1x6", ValueManufacturer="Ningbo Zhenqin Electronic (Connfly Electronic)", HelpURL=https://www.chipdip.ru/product/pls-6, ValueManufacturerPartNumber=PLS-1x6, ValueType=PLS-1x6
  X3: A1TXT=V_targ, A2TXT=SWCLK, A3TXT=GND, A4TXT=SWDIO, A5TXT=NRST, A6TXT=SWO
  X4: A1TXT=POV, A2TXT=A1, A3TXT=A2, A4TXT=A3, A5TXT=GND

## Nets (pads, with @x,y where several pads share a name; then routed paths per layer and width w, separated by ;. In a path a pad name is that pad's centre, name@x,y a point inside that pad or via, vN(x,y) a via of type N, cw(c..) or ccw(c..) an arc to the next point about the centre after c; other vN are vias at no path point)
+3,3B: C1.1 C8.1 C10.1 C11.1 C13.1 C14.1 C16.1 DD1.5 DD2.1 DD2.9 DD2.24 DD2.36 DD2.48 L2.2 R3.1 R4.1 R5.1 R10.1 X2.1 X3.1
+5B: C20.1 DA2.3 DD3.3 X4.1
+27B: C2.1 C3.1 C5.1 C26.1 C27.1 C28.1 DA1.6 R1.1 R6.2 VT1.3 VT3.3 VT5.3 X1.1
BOOT0: DD2.44 R9.2
D_VCC: C15.1 C21.1 C23.1 C25.1 DD3.1 DD4.1 L1.2 R11.2 R12.1 VB1.1 VB2.1 VB3.1
EN: DD2.19 DD4.10
FAULT: DD2.25 DD4.8
GND: C1.2 C2.2 C3.2 C4.2 C5.2 C6.2 C7.2 C8.2 C9.2 C10.2 C11.2 C13.2 C14.2 C15.2 C16.2 C20.2 C21.2 C22.2 C23.2 C24.2 C25.2 C26.2 C27.2 C28.2 DA1.4 DA2.1 DD1.2 DD2.8 DD2.23 DD2.35 DD2.47 DD3.2 DD4.12 DD4.13 R2.1 R7.1 R9.1 R13.2 R21.2 R23.2 R25.2 SB1.1 SB1.2 VD1.2 VD2.1 VT2.2 VT4.2 VT6.2 X1.2 X2.5 X2.6 X3.3 X4.5 X5.2 X6.2 X7.2
HO1: DD4.27 R14.1
HO2: DD4.23 R16.1
HO3: DD4.19 R18.1
LO1: DD4.16 R15.1
LO2: DD4.15 R17.1
LO3: DD4.14 R19.1
NetBQ1_3: BQ1.3 C6.1 R8.1
NetC9_1: C9.1 DA1.3
NetC22_1: C22.1 DD4.11 R12.2
NetC24_1: C24.1 DA2.4 L2.1
NetDA1_1: DA1.1 DA1.7 DA1.8 R6.1
NetDA1_2: DA1.2 L1.1 VD2.2
NetDA1_5: DA1.5 R7.2 R11.1
NetDD1_1: DD1.1 X2.3
NetDD1_3: DD1.3 X2.2
NetDD4_9: DD4.9 R13.1
NetR1_2: R1.2 VD1.1
NetR14_2: R14.2 R20.1 VT1.1
NetR15_2: R15.2 R21.1 VT2.1
NetR16_2: R16.2 R22.1 VT3.1
NetR17_2: R17.2 R23.1 VT4.1
NetR18_2: R18.2 R24.1 VT5.1
NetR19_2: R19.2 R25.1 VT6.1
NRST: C7.1 DD2.7 R4.2 R10.2 SB1.3 SB1.4 X3.5
OSC_IN: BQ1.1 C4.1 DD2.5
OSC_OUT: DD2.6 R8.2
PWM_H1: DD2.31 DD4.2
PWM_H2: DD2.30 DD4.3
PWM_H3: DD2.29 DD4.4
PWM_L1: DD2.28 DD4.5
PWM_L2: DD2.27 DD4.6
PWM_L3: DD2.26 DD4.7
SWCLK: DD2.37 R2.2 X3.2
SWDIO: DD2.34 R3.2 X3.4
SWO: DD2.39 R5.2 X3.6
TIM2_CH2: DD2.11 X4.2
TIM2_CH3: DD2.12 X4.3
TIM2_CH4: DD2.13 X4.4
USB_DM: DD1.4 DD2.32
USB_DP: DD1.6 DD2.33
VB1: C17.1 DD4.28 VB1.2
VB2: C18.1 DD4.24 VB2.2
VB3: C19.1 DD4.20 VB3.2
VS1: C17.2 DD4.26 R20.2 VT1.2 VT2.3 X5.1
VS2: C18.2 DD4.22 R22.2 VT3.2 VT4.3 X6.1
VS3: C19.2 DD4.18 R24.2 VT5.2 VT6.3 X7.1
pads on no net: "DA1. 0" BQ1. BQ1.2 BQ1.4 C1.0 C3.0 C4.0 C6.0 C7.0 C9.0 C10.0 C11.0 C13.0 C14.0 C15.0 C16.0 C17.0 C18.0 C19.0 C21.0 C22.0 C23.0 DA1.0 DA1.28 DD1. DD2.0 DD2.2 DD2.3 DD2.4 DD2.10 DD2.14 DD2.15 DD2.16 DD2.17 DD2.18 DD2.20 DD2.21 DD2.22 DD2.38 DD2.40 DD2.41 DD2.42 DD2.43 DD2.45 DD2.46 DD4.17 DD4.21 DD4.25 R1.0 R2.0 R3.0 R4.0 R5.0 R6.0 R7.0 R8.0 R9.0 R10.0 R11.0 R12.0 R13.0 R14.0 R15.0 R16.0 R17.0 R18.0 R19.0 R20.0 R21.0 R22.0 R23.0 R24.0 R25.0 VD2.0 X2. X2.4 X4.6

## Silkscreen, mask and mechanical layers (free items; w line width, h text height)
Top Overlay:
  lines w0.254: 33.3,41.4 35.3,41.4 35.3,49.4 48.3,49.4 48.3,41.4 50.3,41.4 50.3,51.4 33.3,51.4 33.3,41.4 ; 33.3,54.9 50.3,54.9 50.3,64.9 48.3,64.9 48.3,56.9 35.3,56.9 35.3,64.9 33.3,64.9 33.3,54.9 ; 52.8,41.4 54.8,41.4 54.8,49.4 67.8,49.4 67.8,41.4 69.8,41.4 69.8,51.4 52.8,51.4 52.8,41.4 ; 52.8,54.9 52.8,64.9 54.8,64.9 54.8,56.9 67.8,56.9 67.8,64.9 69.8,64.9 69.8,54.9 52.8,54.9 ; 71.8,41.4 73.8,41.4 73.8,49.4 86.8,49.4 86.8,41.4 88.8,41.4 88.8,51.4 71.8,51.4 71.8,41.4 ; 71.8,54.9 71.8,64.9 73.8,64.9 73.8,56.9 86.8,56.9 86.8,64.9 88.8,64.9 88.8,54.9 71.8,54.9
  text "ON" at 13.754,47.354 h1.52

## Text inside footprints (layer, text, board x,y; h text height)
C26: Top Overlay "+" at 32.037,64.725 h1.5 r90
C27: Top Overlay "+" at 72.137,65.325 h1.5 r90
C28: Top Overlay "+" at 52.237,64.925 h1.5 r90